# Altium PCB RP2040_GSM.PcbDoc (part 1 of 4)
Units mil, origin at the board's own origin, x right, y up, seen from the top; angles counter-clockwise.
Board outline 6397 x 3950 mil, 4 copper layers (Top Layer, GND_LAYER, PWR_LAYER, Bottom Layer), stack 43.712 mil thick; 216 components, 143 nets, 777 pads, 222 vias.
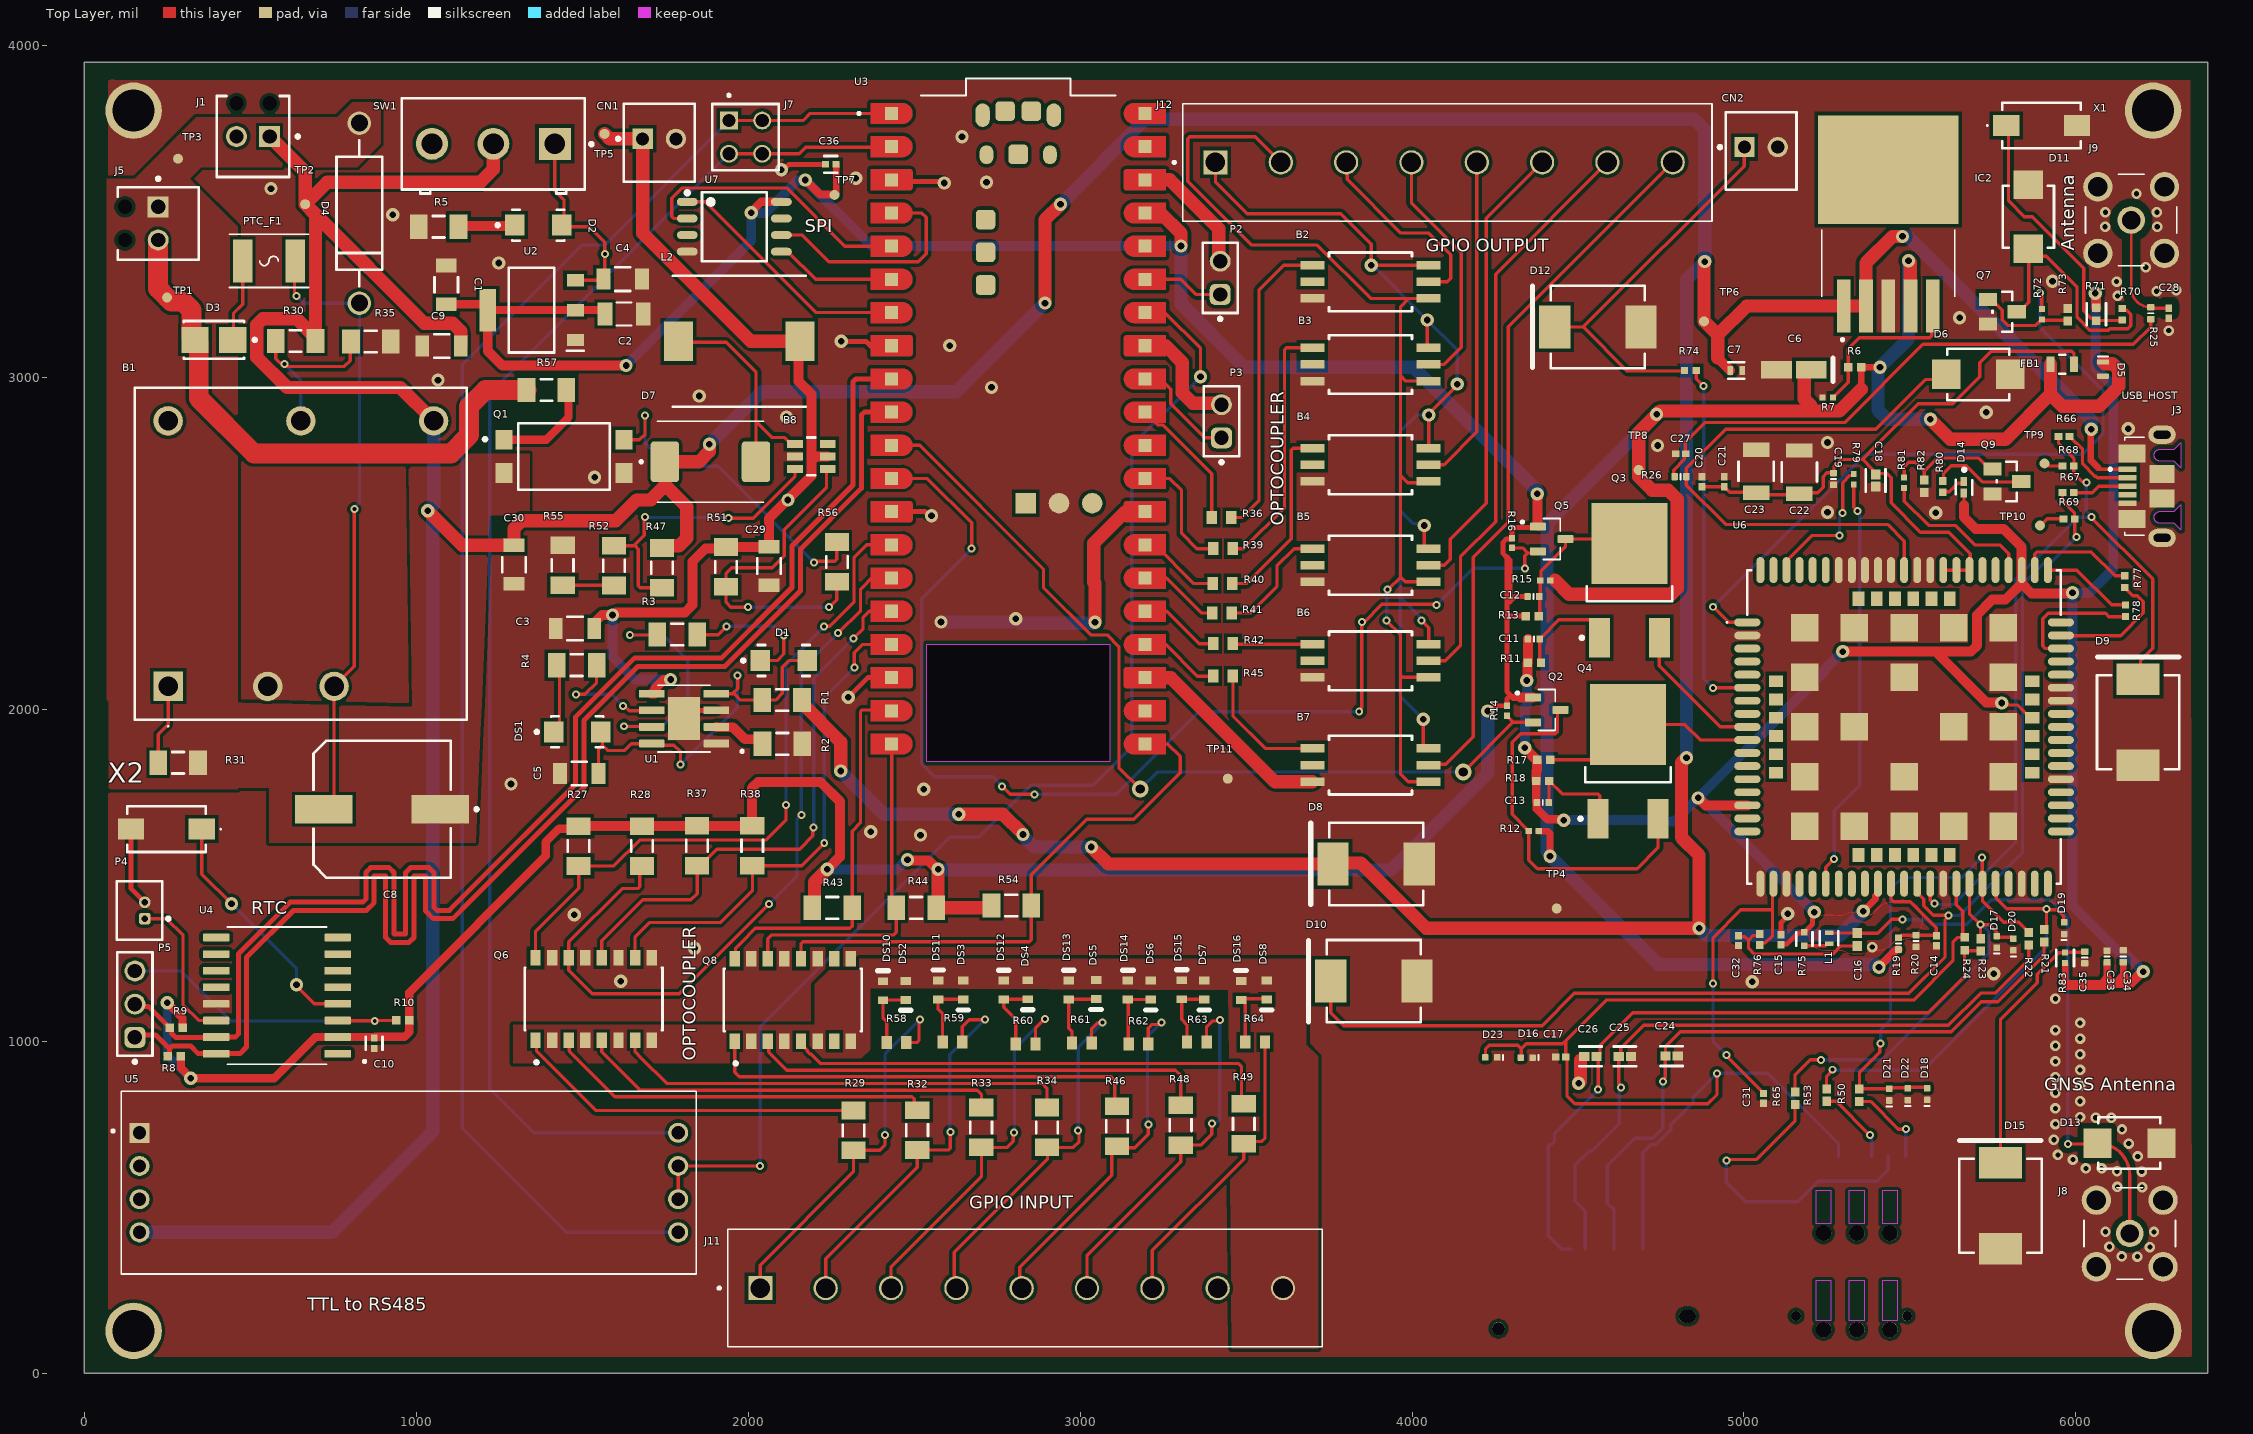
[diagram p0: Top Layer view]
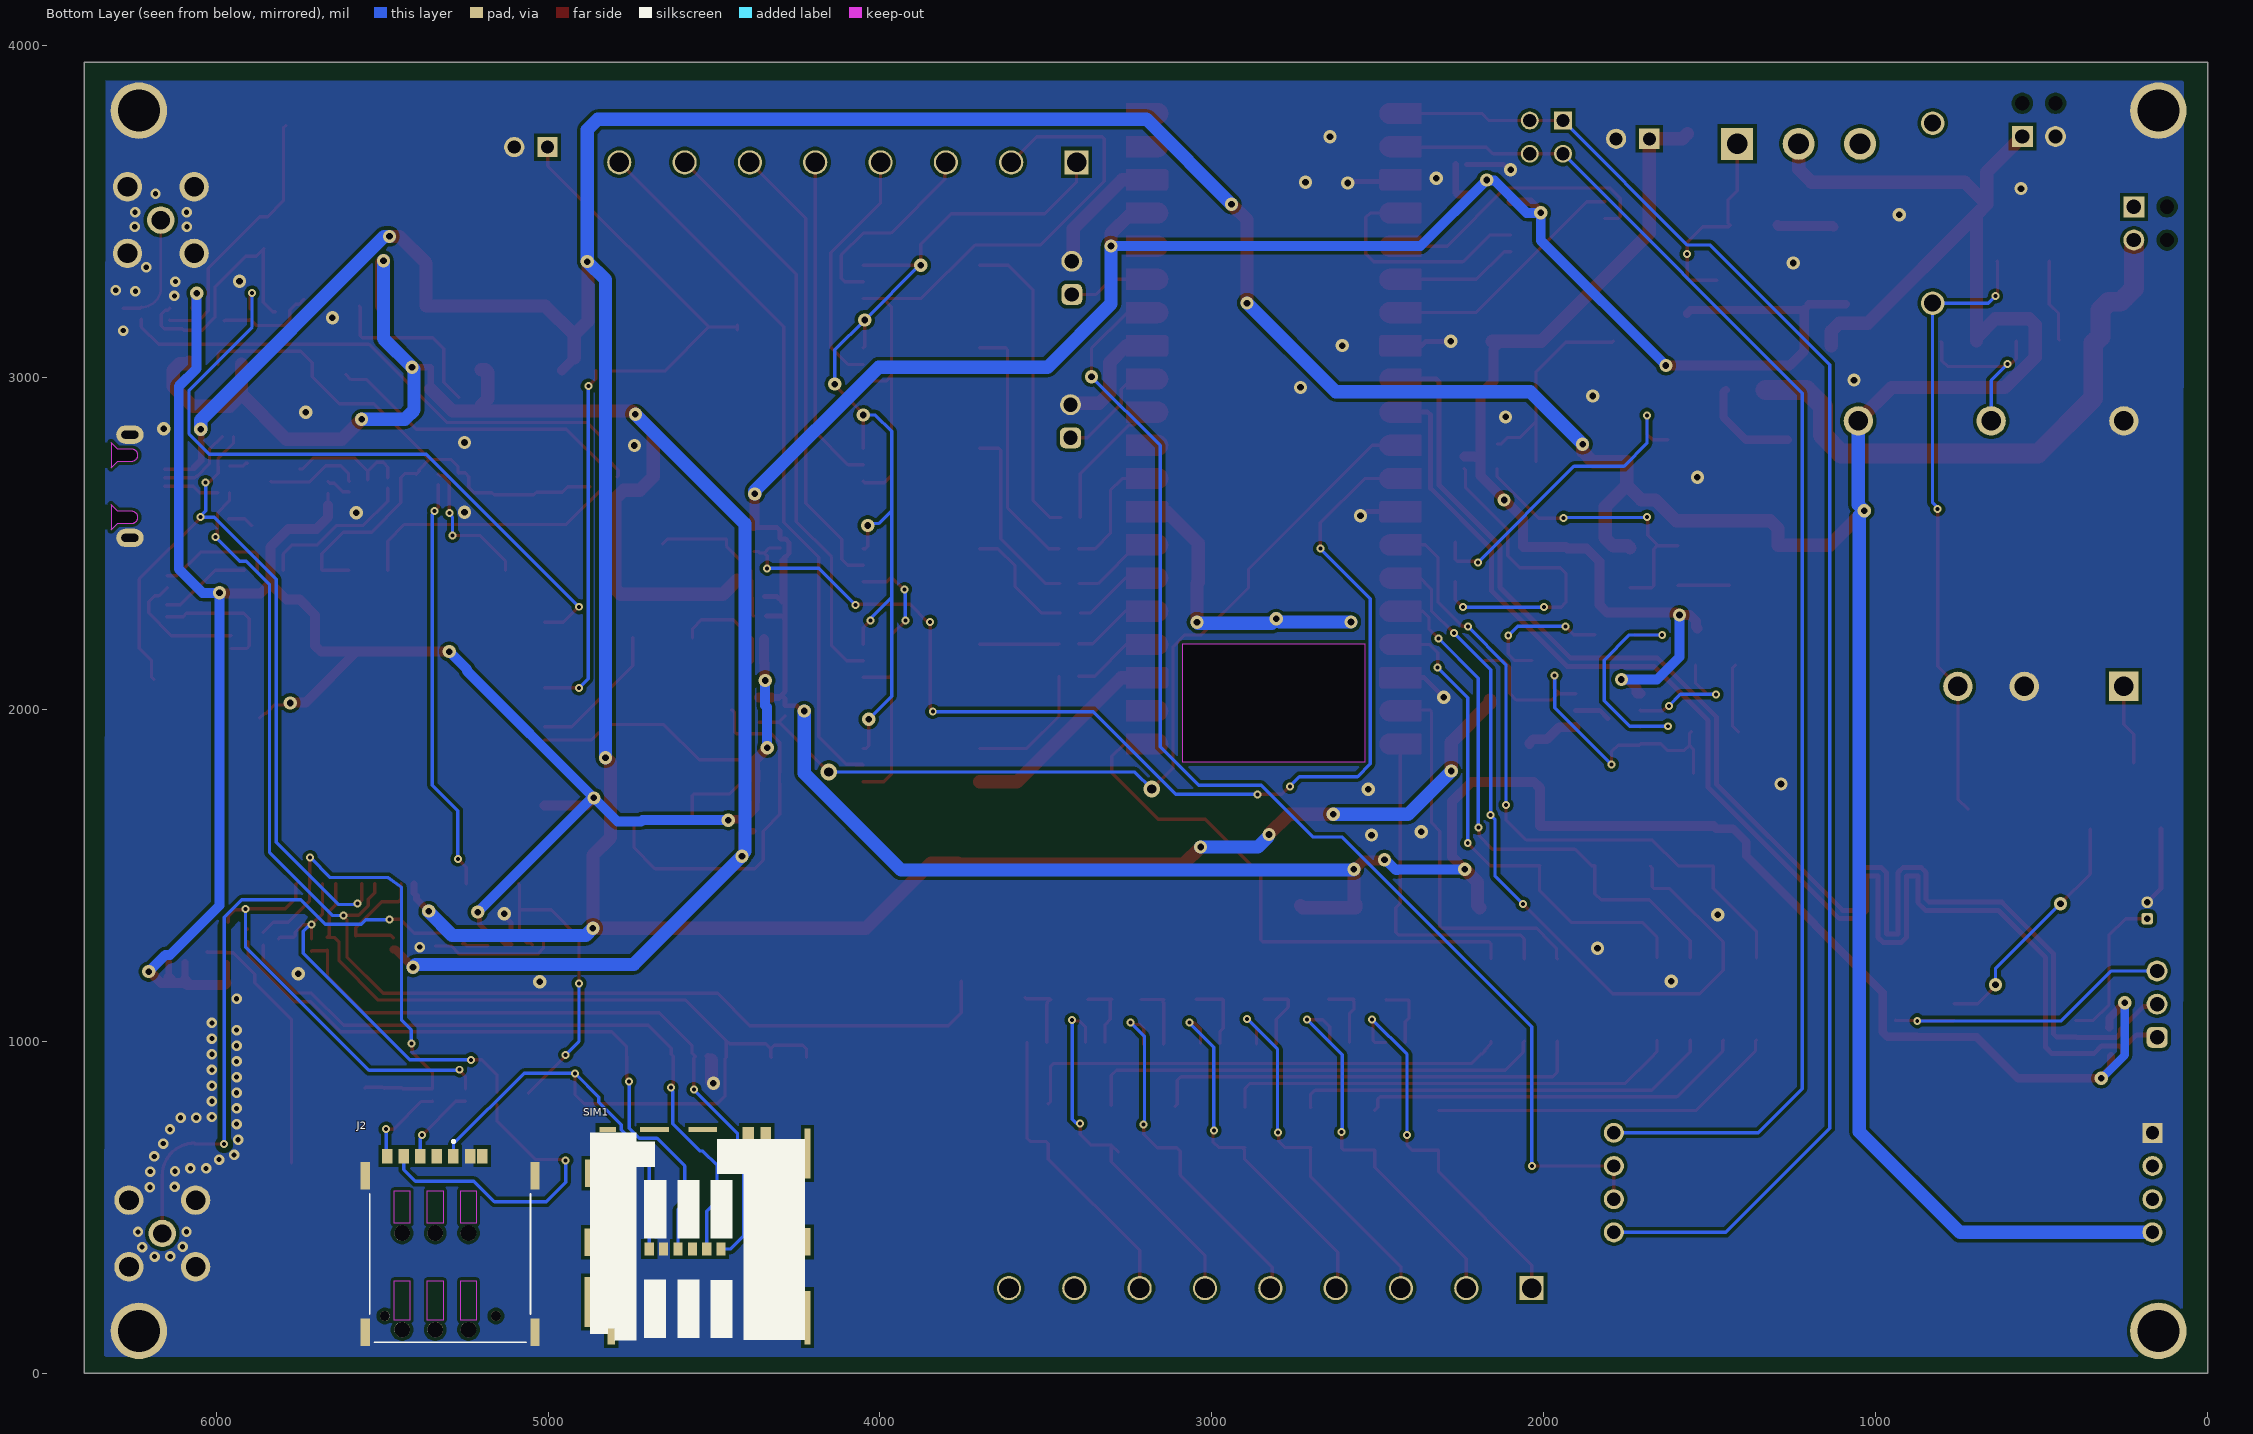
[diagram p1: Bottom Layer view, seen from below]
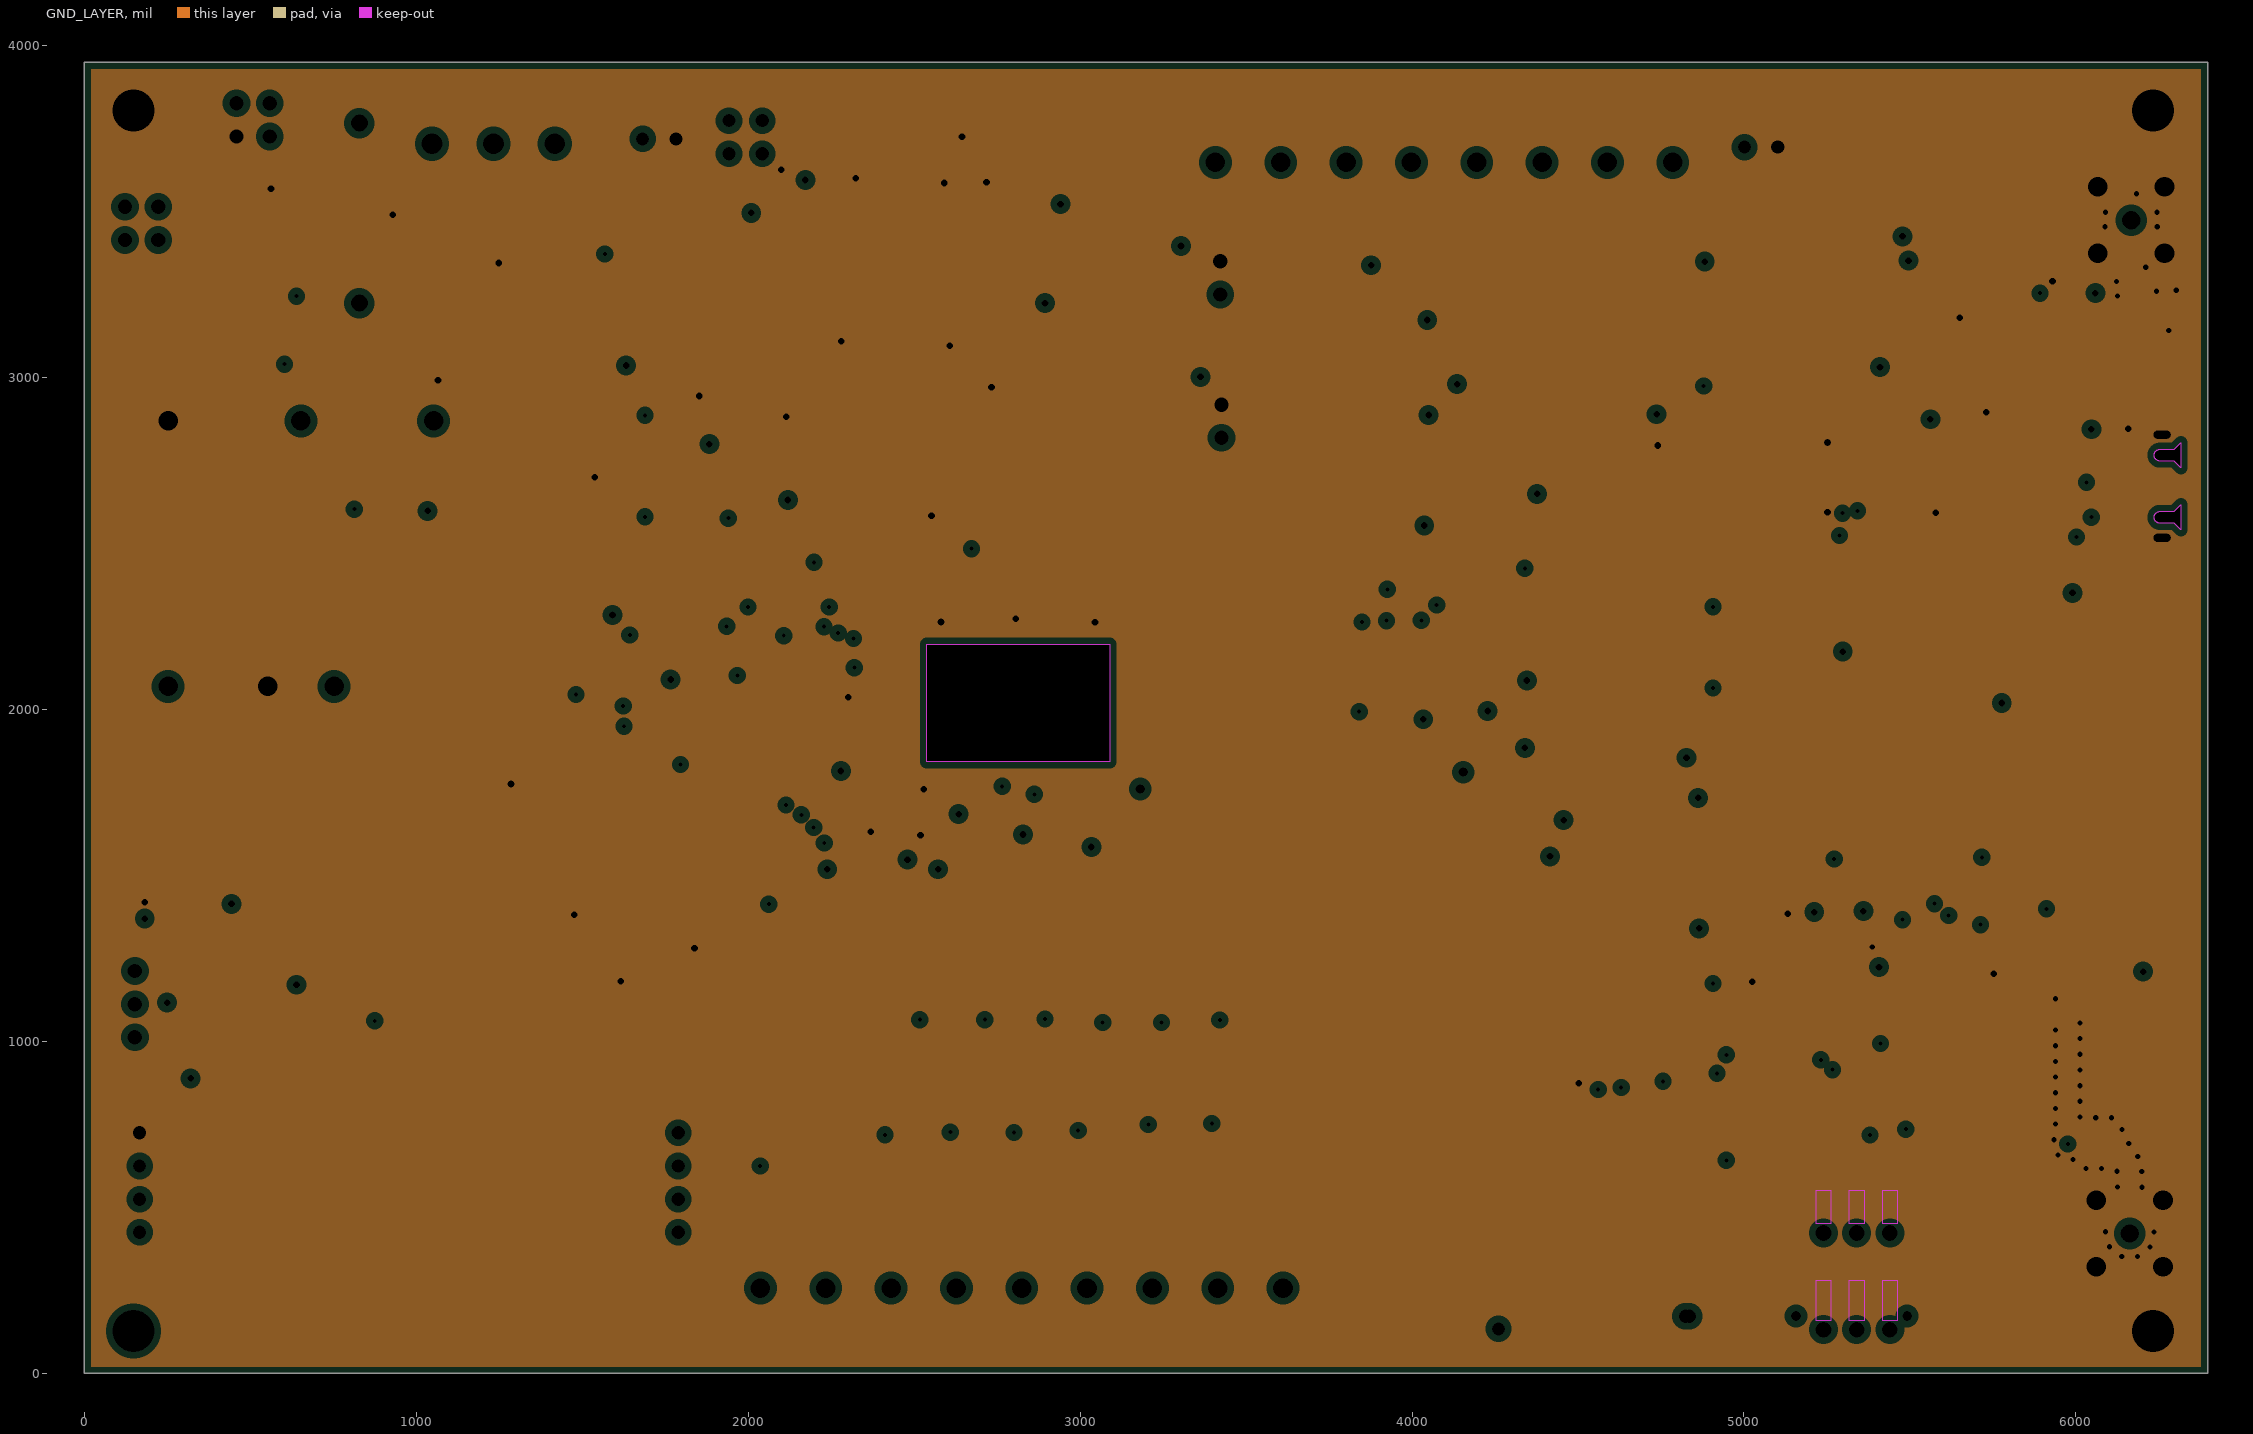
[diagram p2: GND_LAYER, clearances drawn from the general rule]
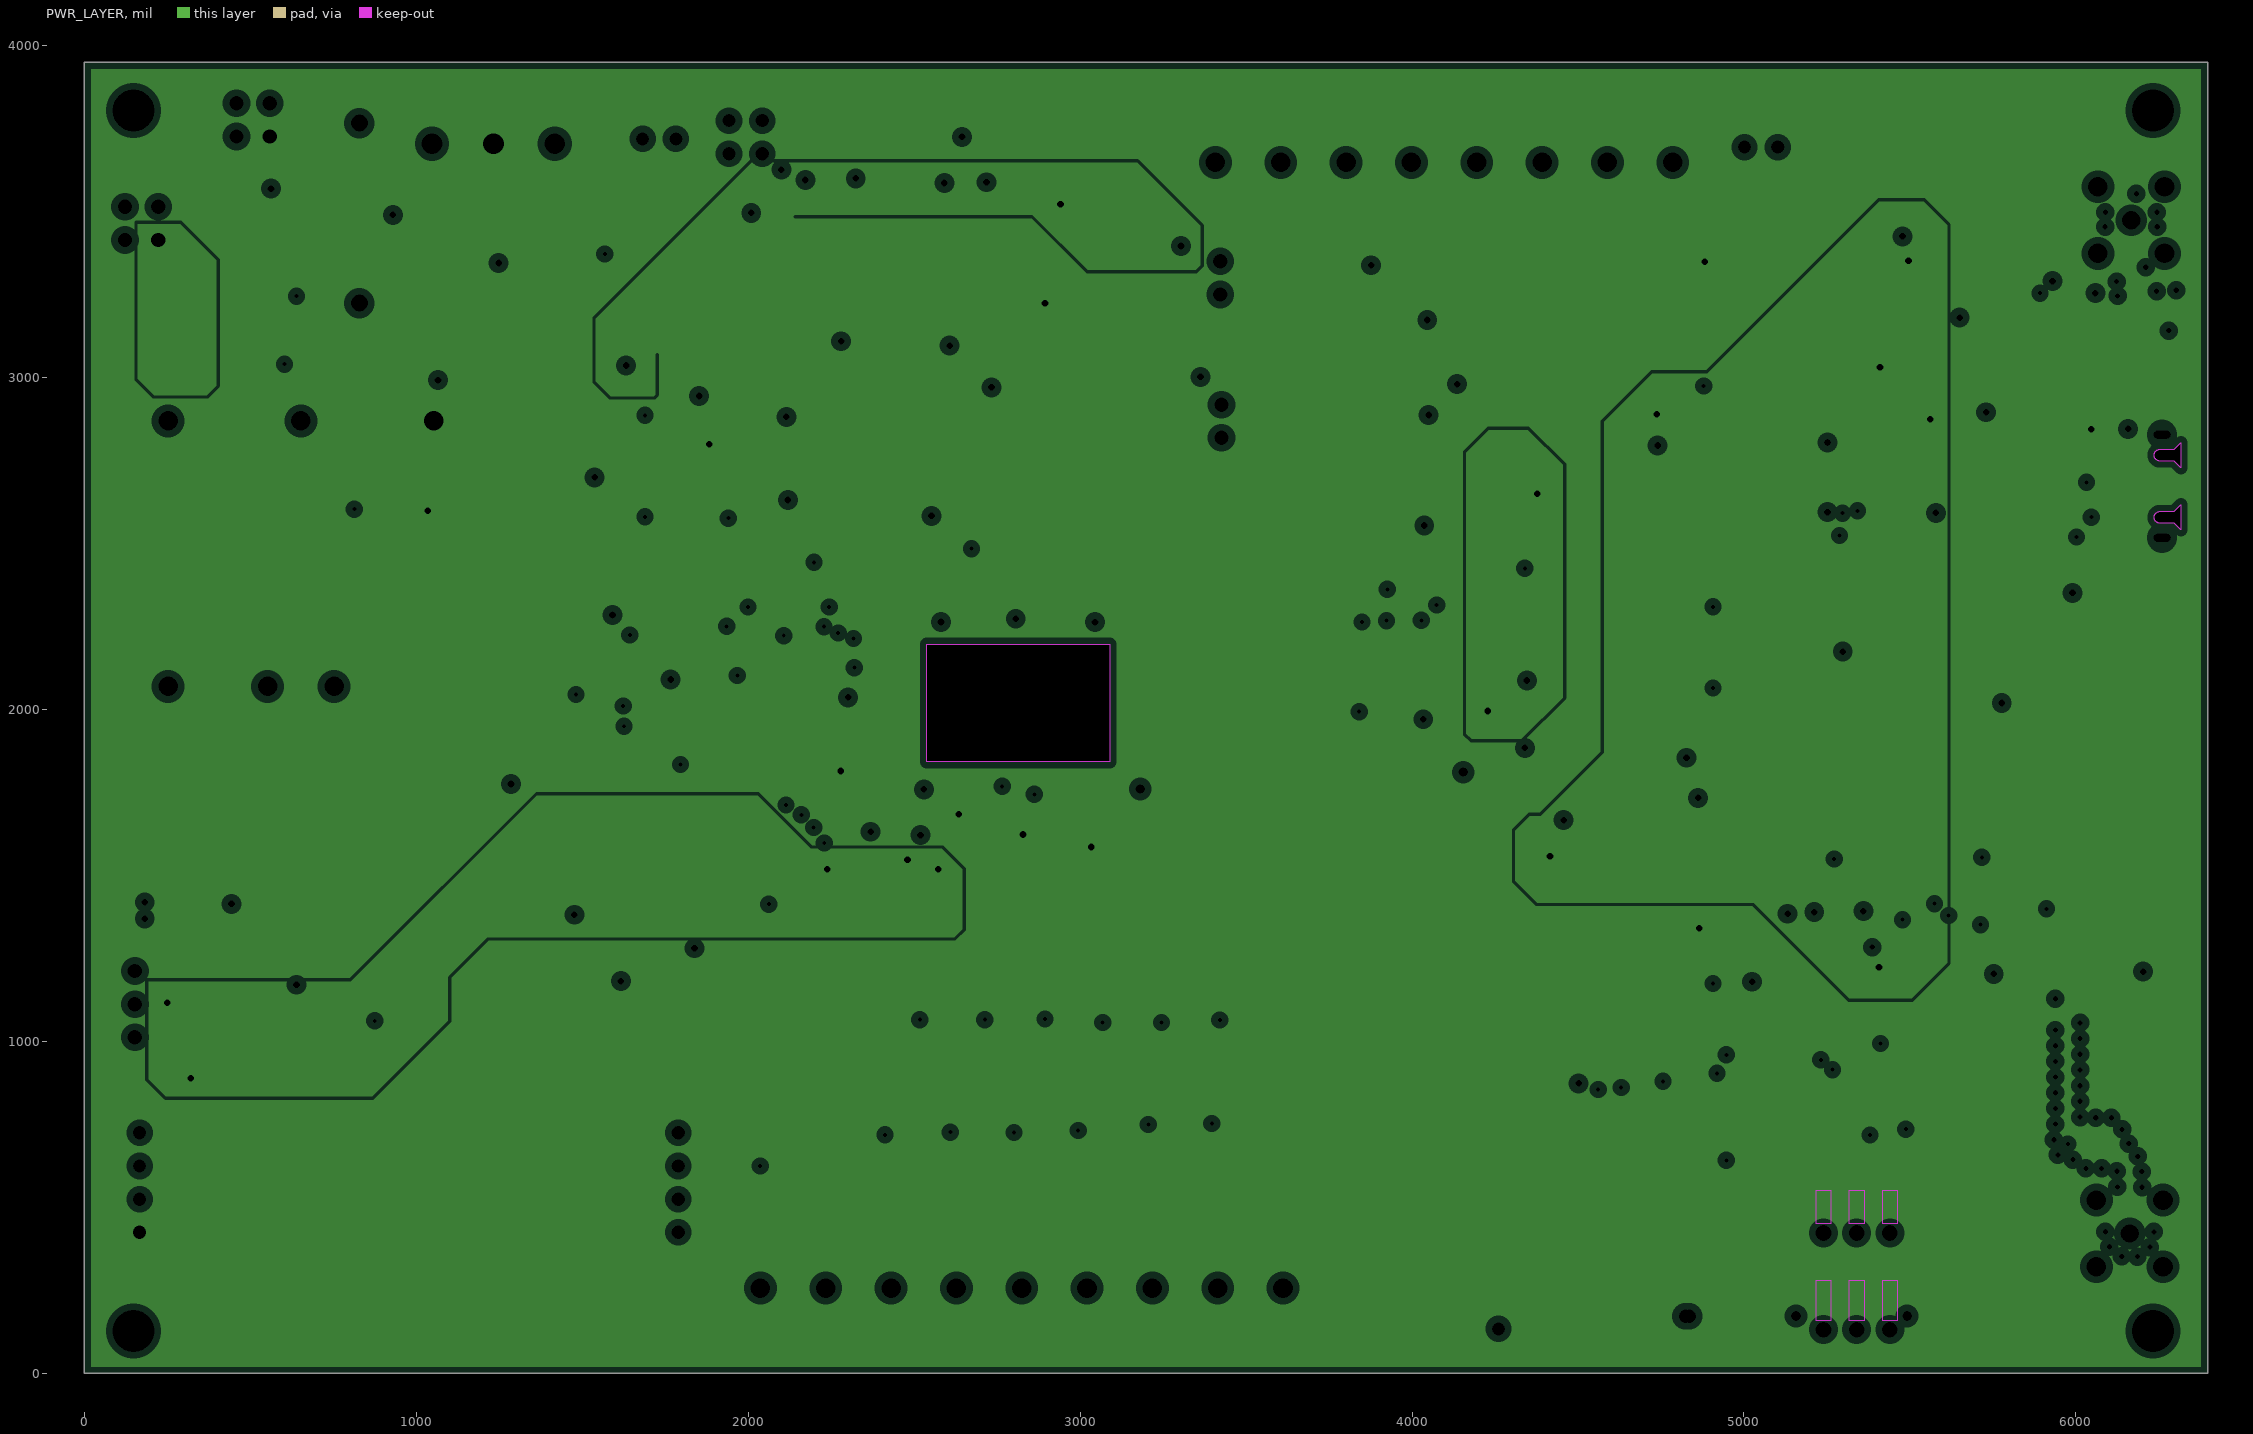
[diagram p3: PWR_LAYER, clearances drawn from the general rule]